# Altium PCB 多功能调试器0827.PcbDoc
Units mm, origin at the board's own origin, x right, y up, seen from the top; angles counter-clockwise.
Board outline 65 x 98 mm, 2 copper layers (Top Layer, Bottom Layer); 91 components, 53 nets, 312 pads, 72 vias.
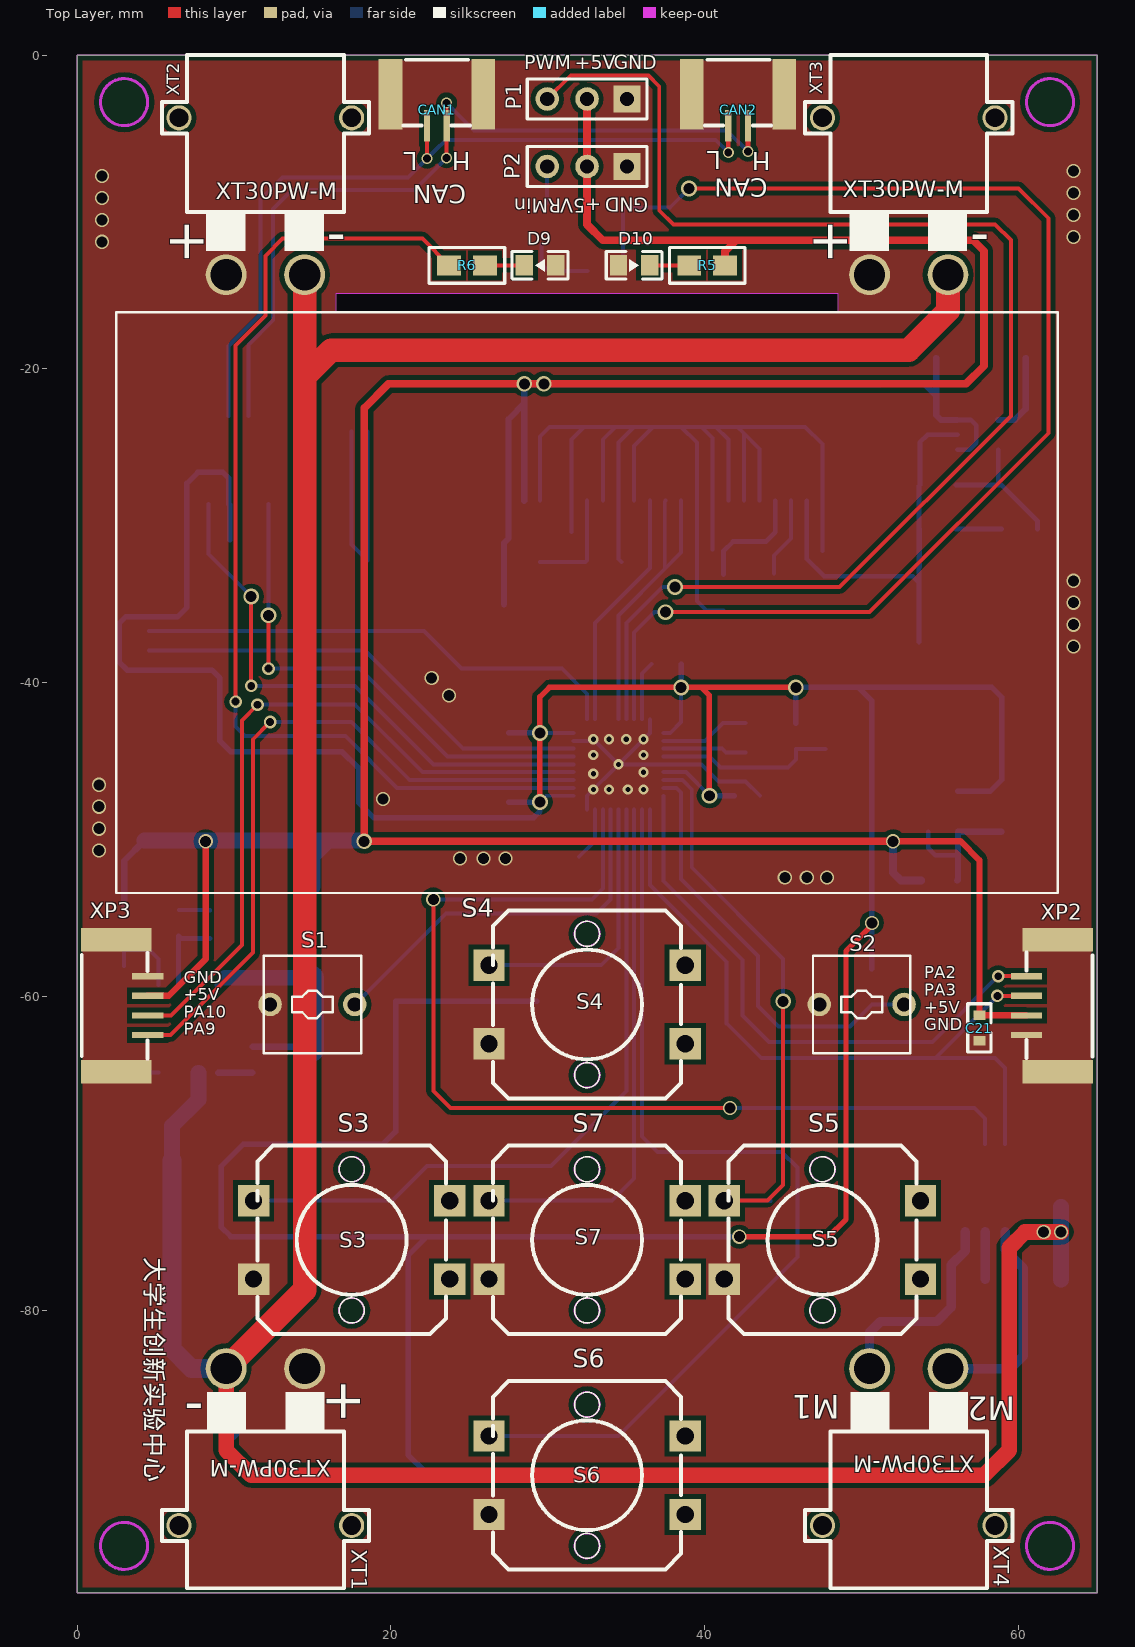
[diagram p0: Top Layer view]
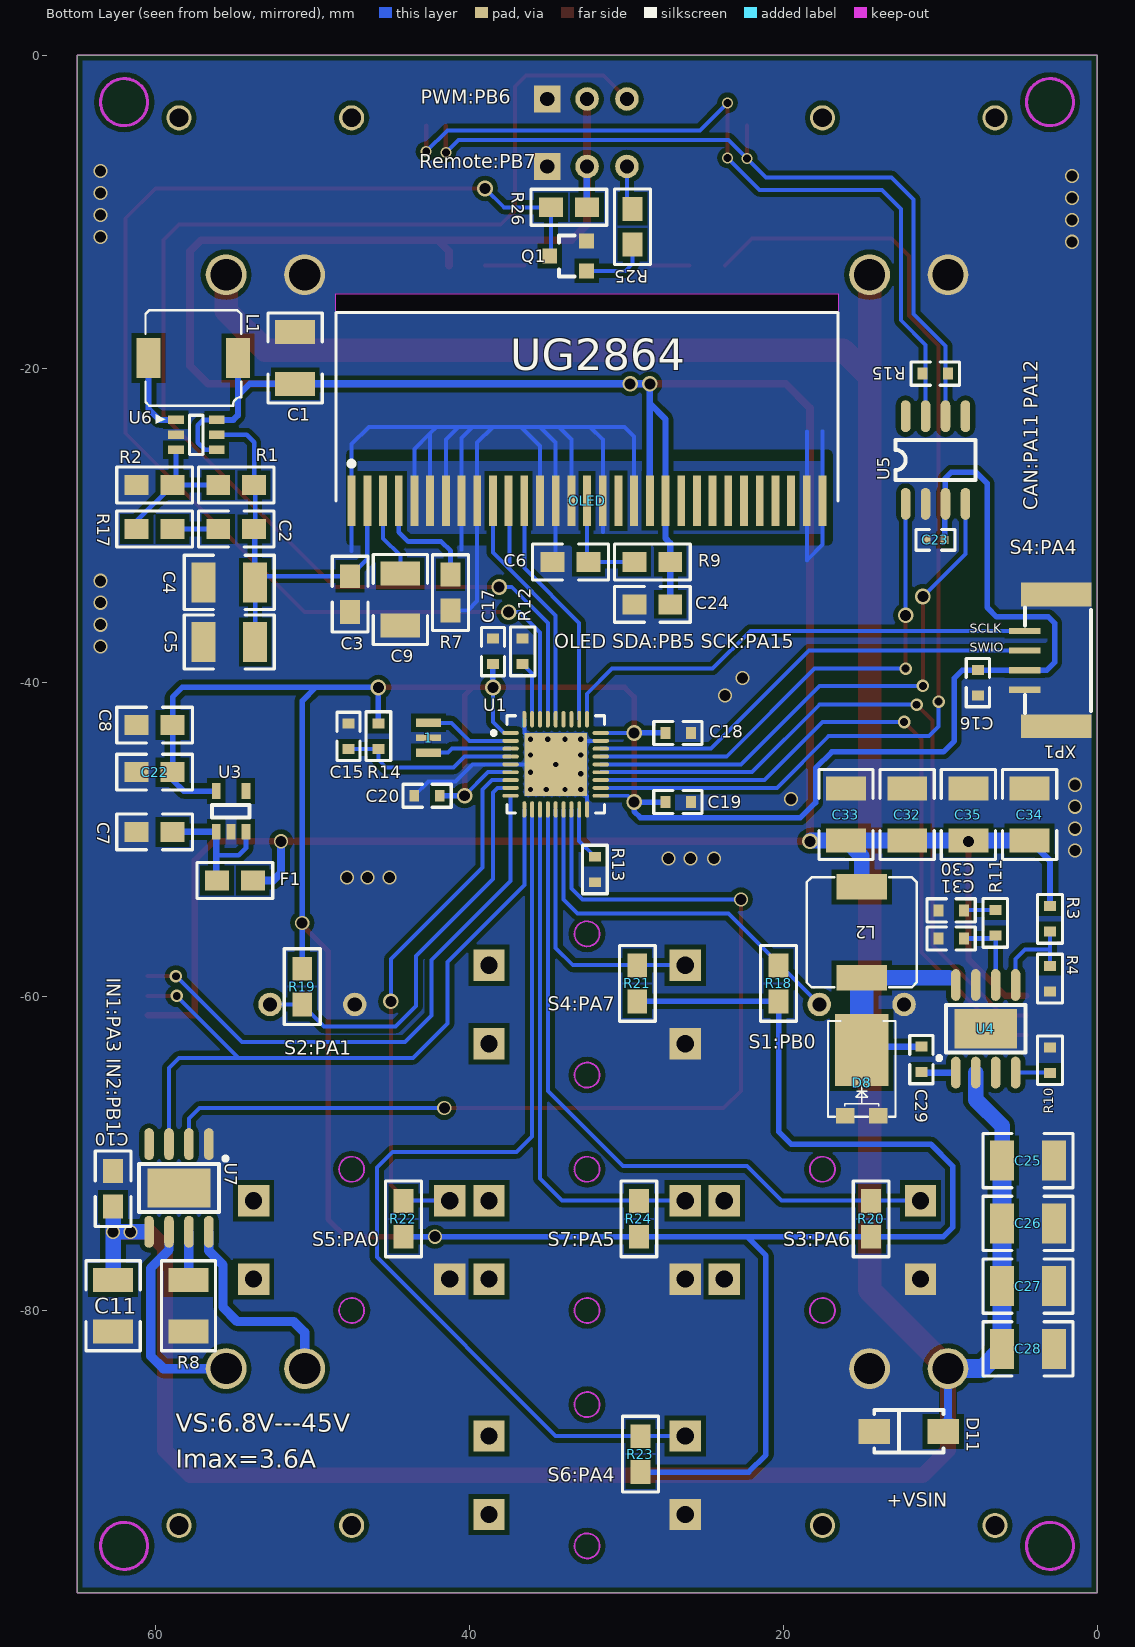
[diagram p1: Bottom Layer view, seen from below]

## Layer stack, top to bottom
Top Layer: signal copper 0.0356
Dielectric: dielectric 0.32, FR-4, Dk 4.8
Bottom Layer: signal copper 0.0356

## Board outline
0,-98 65,-98 65,0 0,0
cut-out: 16.5,-16.4 48.5,-16.368 48.5,-15.2 16.5,-15.2

## Design rules (kind name [scope] priority, off if disabled: settings)
Clearance [All] p1: gap=0.3
HoleToHoleClearance [All] p1: gap=0 allowstackedmicrovias=TRUE
MinimumSolderMaskSliver [All] p1: minsoldermaskwidth=0.1
PolygonConnect [All] p1: connectstyle=Direct reliefconductorwidth=0.254 reliefentries=4 polygonreliefangle="90 Angle"
RoutingVias [All] p1: holewidth=0.711 width=1.27 viastyle="Through Hole" minholewidth=0.711 minwidth=1.27 maxholewidth=0.711 maxwidth=1.27
SilkToSilkClearance [All] p1: silktosilkclearance=0
SilkscreenOverComponentPads [All] p1: minsilkscreentomaskgap=0
SolderMaskExpansion [All] p1: expansion=0.102
TestPointUsage [All] p1: valid=0 allowmultiple=FALSE
Testpoint [All] p1: side=15 testpointundercomponent=TRUE minsize=1.016 maxsize=2.54 preferedsize=1.524 minholesize=0 maxholesize=1.016 preferedholesize=0.813 testpointgrid=0.025 style=1023 order=0123456789
Width [All] p1: maxlimit=2 minlimit=0.2 preferedwidth=0.254
20 further rules are at their usual default settings.

## Components (designator, comment, footprint, x,y, rotation, side; value= is the part's Value field where it differs from the comment)
1 "" XTAL_SMD_3215_2 42.6,-43.5 r270 bottom
C1 "2.2uF" 1210C 51.1,-19.3 r270 bottom
C2 "22uF" 0805C 56,-30.2 r180 bottom
C3 "22uF" 0805C 47.6,-35.5 r90 bottom
C4 "22uF" 1210C 55.3,-33.6 r180 bottom
C5 "22uF" 1210C 55.3,-37.4 r180 bottom
C6 "1uF" 0805C 34.7,-32.3 r180 bottom
C7 "1uF" 0805C 61.2,-49.5 r180 bottom
C8 "1uF" 0805C 61.2,-42.7 r180 bottom
C9 "22uF" 1210C 44.4,-34.7 r90 bottom
C10 "1uF" 0805C 62.7,-71.1 r270 bottom
C11 "22uF" 1210C 62.7,-79.7 r270 bottom
C15 "CAP" 0603C 47.7,-43.4 r90 bottom
C16 "" 0603C 7.6,-40 r270 bottom
C17 "104" 0603C 38.5,-38 r90 bottom
C18 "104" 0603C 26.7,-43.2 r180 bottom
C19 "104" 0603C 26.7,-47.6 r180 bottom
C20 "104" 0603C 42.7,-47.2 r0 bottom
C21 "104" 0603C 57.5,-62 r270 top
C22 "1uF" 0805C 61.2,-45.7 r180 bottom
C23 "CAP" 0402C 10.3,-30.9 r0 bottom
C24 "104" 0805C 27.2,-35 r0 bottom
C25 "22uF" 1210C 4.4,-70.449 r180 bottom
C26 "22uF" 1210C 4.4,-74.449 r180 bottom
C27 "22uF" 1210C 4.4,-78.449 r180 bottom (schematic designator C12)
C28 "22uF" 1210C 4.4,-82.449 r180 bottom
C29 "104" 0603C 11.2,-64 r90 bottom
C30 "4700p" 0603C 9.287,-54.5 r180 bottom (schematic designator C25)
C31 "47p" 0603C 9.287,-56.3 r180 bottom (schematic designator C26)
C32 "22uF" 1210C 12.1,-48.4 r90 bottom (schematic designator C20)
C33 "22uF" 1210C 16,-48.4 r90 bottom (schematic designator C18)
C34 "22uF" 1210C 4.3,-48.4 r90 bottom (schematic designator C19)
C35 "22uF" 1210C 8.2,-48.4 r90 bottom
CAN1 "CAN" GH1.25-WS-2P 22.3,-4.5 r0 top locked
CAN2 "CAN" GH1.25-WS-2P 41.5,-4.5 r0 top locked
D8 "SS8P6C" TO-227 15,-64.6 r180 bottom (schematic designator D3)
D9 "LED0" LED_0805_B 29.5,-13.4 r0 top
D10 "LED0" LED_0805_B 35.5,-13.4 r180 top
D11 "" DO214_SMA 12,-87.7 r180 bottom
F1 "" 0805R 53.8,-52.6 r0 bottom
L1 "10uH" L6×6 57.6,-19.3 r270 bottom
L2 "" L7-7 15,-55.9 r0 bottom (schematic designator L3)
OLED "UG-2864" OLED 32.5,-28.4 r180 bottom locked
P1 "" HDR2.54-LI-3P 32.5,-2.8 r180 top
P2 "" HDR2.54-LI-3P 32.5,-7.1 r180 top
Q1 "" SOT23_3 33.7,-12.8 r180 bottom
R1 "100k" 0805R 56,-27.4 r180 bottom
R2 "10k" 0805R 61.2,-27.4 r180 bottom
R3 "Res1" 0603R 3,-55.049 r270 bottom
R4 "Res1" 0603R 3,-58.849 r270 bottom (schematic designator R10)
R5 "Res1" 0805R 41.3,-13.4 r180 top
R6 "Res1" 0805R 23.7,-13.4 r0 top
R7 "910k" 0805R 41.2,-35.4 r90 bottom
R8 "0.16" 1210R 57.9,-79.7 r90 bottom
R9 "10k" 0805R 27.2,-32.3 r0 bottom (schematic designator R8)
R10 "243k" 0603R 3,-64.049 r90 bottom (schematic designator R8)
R11 "16.9k" 0603R 6.487,-55.3 r90 bottom
R12 "Res1" 0603R 36.6,-38 r270 bottom (schematic designator R29)
R13 "Res1" 0603R 32,-51.9 r90 bottom (schematic designator R28)
R14 "Res1" 0603R 45.8,-43.4 r270 bottom (schematic designator R30)
R15 "Res1" 0603C 10.3,-20.3 r180 bottom
R17 "2k" 0805R 61.2,-30.2 r180 bottom
R18 "10k" 0805R 20.3,-60.3 r90 bottom
R19 "10k" 0805R 50.65,-58.225 r270 bottom
R20 "10k" 0805R 14.4,-75.3 r90 bottom
R21 "10k" 0805R 29.3,-60.3 r90 bottom
R22 "10k" 0805R 44.2,-75.3 r90 bottom
R23 "10k" 0805R 29.1,-90.3 r90 bottom
R24 "10k" 0805R 29.2,-75.3 r90 bottom
R25 "4.7k" 0805R 29.6,-9.8 r270 bottom
R26 "10k" 0805R 34.8,-9.7 r180 bottom
S1 "SW-PB" SW_PB_6*6 15,-60.5 r0 top locked
S2 "SW-PB" SW_PB_6*6 50,-60.5 r0 top locked (schematic designator S7)
S3 "SW-PB" BUT12/B3F 17.5,-75.5 r270 top locked (schematic designator S2)
S4 "SW-PB" BUT12/B3F 32.5,-60.5 r270 top locked (schematic designator S6)
S5 "SW-PB" BUT12/B3F 47.5,-75.5 r270 top locked
S6 "SW-PB" BUT12/B3F 32.5,-90.5 r270 top locked (schematic designator S3)
S7 "SW-PB" BUT12/B3F 32.5,-75.5 r270 top locked (schematic designator S4)
U1 "STM32F103T8U6" VFQN36_N 34.5,-45.2 r180 bottom
U3 "LP5907" SOT23_5 55.186,-48.2 r270 bottom
U4 "TPS54560" SOIC8E 9.005,-64.843 r90 bottom (schematic designator U3)
U5 "SN65HVD232" SOp8 12.2,-28.6 r90 bottom
U6 "SOT23-6" SOT23_6 57.4,-24.2 r180 bottom
U7 "DRV8872" SOIC8E 56.6,-69.4 r270 bottom
XP1 "CON4" GH1.25-WS-4P 4.6,-36.7 r270 bottom
XP2 "CON4" GH1.25-WS-4P 60.5,-58.7 r270 top locked
XP3 "CON4" GH1.25-WS-4P 4.5,-62.45 r90 top locked
XT1 "" XT30PW-M 12,-83.7 r90 top locked
XT2 "" XT30PW-M 12,-14 r270 top locked
XT3 "" XT30PW-M 53,-14 r270 top locked
XT4 "" XT30PW-M 53,-83.7 r90 top locked

## Footprints (in the part's own frame and the unit in brackets; to place one, negate y for a bottom-side part, rotate by r counter-clockwise, add the part's x,y. Pads: shape width x height; smd on the part's side, far side on the other; paste and mask are expansions set on the pad)
0402C [mil] "1mmx0.5mm （蒜米工坊）"
  rect 20x20 smd: 1(-23,0) 2(23,0)
  silkscreen extent -49,-26 49,26, body extent -20,-10 20,10, height 20
0603C [mil] "1.6mmx0.8mm（蒜米工坊）"
  rect 25x30 smd: 1(-32,0) 2(32,0)
  silkscreen extent -61,-29 60,29, body extent -32,-16 31,16, height 24
0603R [mil]
  rect 25x30 smd: 1(-32,0) 2(32,0)
  silkscreen extent -61,-31 61,31, body extent -32,-16 31,16, height 18
0805C [mil] "2.0mmx1.2mm（蒜米工坊）"
  rect 60x50 smd: 1(0,0) 2(90,0)
  silkscreen extent -50,-45 140,45, body extent 5,-24 83,24, height 37
0805R [mil]
  rect 60x50 smd: 1(0,0) 2(90,0)
  silkscreen extent -50,-45 140,45, body extent 5,-25 83,25, height 22
1210C [mil] "3.2mmx2.5mm（蒜米工坊）"
  rect 60x100 smd: 1(-65,0) 2(65,0)
  silkscreen extent -113,-68 113,68, body extent -63,-50 63,48, height 51
1210R [mil]
  rect 60x100 smd: 1(-65,0) 2(65,0)
  silkscreen extent -113,-68 113,68, body extent -63,-50 63,48, height 24
BUT12/B3F [mm]
  rect 2x2 hole 1.1: 1(-2.5,-6.25) 2(-2.5,6.25) 3(2.5,-6.25) 4(2.5,6.25)
  Keep-Out Layer circle w0.12: c-4.5,0 r0.8
  Keep-Out Layer circle w0.12: c4.5,0 r0.8
  silkscreen extent -6,-6 6,6
DO214_SMA [mm]
  rect 2x1.6 smd: 1(-2.2,0) 2(2.2,0)
  silkscreen extent -2.2,-1.35 2.2,1.35, body extent -2.69,-1.4 2.8,1.39, height 2.32
GH1.25-WS-2P [mm]
  rect 1.5x4.5 smd: 0(-2.325,2) 0(3.575,2)
  rect 0.4x2 smd: 1(0,0) 2(1.25,0)
  silkscreen extent -1.5,0 2.73,4.2, body extent -3.19,-0.87 4.46,4.33, height 3.5
GH1.25-WS-4P [mm]
  rect 1.5x4.5 smd: 0(-2.325,2) 0(6.075,2)
  rect 0.4x2 smd: 1(0,0) 2(1.25,0) 3(2.5,0) 4(3.75,0)
  silkscreen extent -1.5,0 5.23,4.2, body extent -3.17,-0.87 6.98,4.33, height 3.5
HDR2.54-LI-3P [mm] "排针，3脚"
  rect 1.7x1.7 hole 0.9: 1(-2.54,0)
  round 1.5 hole 0.9: 2(0,0) 3(2.54,0)
  silkscreen extent -3.81,-1.27 3.81,1.27, body extent -3.81,-1.27 3.81,1.27, height 8.5
L6×6 [mm]
  rect 2.54x1.524 smd: 1(0,2.85) 2(0,-2.85)
  silkscreen extent -3.05,-3.04 3.05,3.06, body extent -2.49,-2.44 2.41,2.46, height 2.91
L7-7 [mm]
  rect 3.2x1.6 smd: 1(0,2.9) 2(0,-2.9)
  silkscreen extent -3.5,-3.5 3.5,3.5
LED_0805_B [mm]
  rect 1.1x1.3 smd: 1(-1,0) 2(1,0)
  silkscreen extent -1.78,-0.87 1.78,0.87, body extent -1.01,-0.63 1.01,0.63, height 1.1
OLED [mm] "10.2*7.8*1.9mm"
  rect 0.5x3.2 smd: 1(-15,0) 2(-14,0) 3(-13,0) 4(-12,0) 5(-11,0) 6(-10,0) 7(-9,0) 8(-8,0) 9(-7,0) 10(-6,0) 11(-5,0) 12(-4,0) 13(-3,0) 14(-2,0) 15(-1,0) 16(0,0) 17(1,0) 18(2,0) 19(3,0) 20(4,0) 21(5,0) 22(6,0) 23(7,0) 24(8,0) 25(9,0) 26(10,0) 27(11,0) 28(12,0) 29(13,0) 30(14,0) 31(15,0)
  silkscreen extent -16,0 16,12
SOIC8E [mil]
  rect 98.43x157.48 smd: 0(110,-75)
  oval 80x24 smd: 1(0,0) 2(0,-50) 3(0,-100) 4(0,-150) 5(220,-150) 6(220,-100) 7(220,-50) 8(220,0)
  silkscreen extent 31,-175 170,46
SOp8 [mil] "（蒜米工坊）"
  oval 80x24 smd: 1(0,0) 2(0,-50) 3(0,-100) 4(0,-150) 5(220,-150) 6(220,-100) 7(220,-50) 8(220,0)
  silkscreen extent 60,-175 160,25, body extent -3,-173 235,25, height 63
SOT23_3 [mm]
  rect 0.95x0.95 smd: 1(1.175,-0.95) 2(1.175,0.95) 3(-1.175,0)
  silkscreen extent -0.6,-1.3 0.4,1.3, body extent -1.34,-1.5 1.3,1.5, height 1.08
SOT23_5 [mm]
  rect 1x0.55 smd: 1(1.3,-0.95) 2(1.3,0) 3(1.3,0.95) 4(-1.3,0.95) 5(-1.3,-0.95)
  silkscreen extent -0.4,-1.21 0.4,1.19, body extent -1.52,-1.51 1.48,1.49, height 1.3
SOT23_6 [mm]
  rect 1x0.55 smd: 1(-1.3,0.95) 2(-1.3,0) 3(-1.3,-0.95) 4(1.3,-0.95) 5(1.3,0) 6(1.3,0.95)
  silkscreen extent -2.6,-1.25 0.43,1.3, body extent -1.4,-1.45 1.4,1.45, height 1.45
SW_PB_6*6 [mm]
  round 1.5 hole 0.9: 1(2.7,0) 2(-2.7,0)
  silkscreen extent -3.1,-3.1 3.1,3.1
TO-227 [mm]
  rect 1.2x1 smd: 1(-1.05,-3) 2(1.05,-3)
  rect 3.4x4.6 smd: 3(0,1.2)
  silkscreen extent -2.15,-3.05 2.15,3.05
VFQN36_N [mm]
  oval 1.05x0.25 smd: 1(-2.875,2) 2(-2.875,1.5) 3(-2.875,1) 4(-2.875,0.5) 5(-2.875,0) 6(-2.875,-0.5) 7(-2.875,-1) 8(-2.875,-1.5) 9(-2.875,-2) 19(2.875,-2) 20(2.875,-1.5) 21(2.875,-1) 22(2.875,-0.5) 23(2.875,0) 24(2.875,0.5) 25(2.875,1) 26(2.875,1.5) 27(2.875,2)
  oval 0.25x1.05 smd: 10(-2,-2.875) 11(-1.5,-2.875) 12(-1,-2.875) 13(-0.5,-2.875) 14(0,-2.875) 15(0.5,-2.875) 16(1,-2.875) 17(1.5,-2.875) 18(2,-2.875) 28(2,2.875) 29(1.5,2.875) 30(1,2.875) 31(0.5,2.875) 32(0,2.875) 33(-0.5,2.875) 34(-1,2.875) 35(-1.5,2.875) 36(-2,2.875)
  rect 4x4 smd: 37(0,0)
  silkscreen extent -4.08,-3.1 3.1,3.1, body extent -3.1,-3.1 3.1,3.1, height 0.9
XT30PW-M [mm]
  round 2.6 hole 2 unplated: 1(0,-2.5) 2(0,2.5)
  round 1.6 hole 1.2 unplated: ""(-10,-5.5) ""(-10,5.5)
  silkscreen extent -14,-6.6 -1.5,6.6
XTAL_SMD_3215_2 [mm] "CSTCE16M0V53-R0"
  rect 0.55x1.6 smd: 1(-0.95,0) 3(0.95,0)
  rect 0.4x1.6 smd: 2(0,0)
  body extent -1.61,-0.76 1.61,0.76, height 0.91

## Part data
1: library part XTAL-3PIN, "贴片晶振"
C1 C2 C3 C4 C5 C6 C7 C8 C9 C10 C11 C25 C26 C27 C28 C30 C31 C32 C33 C34 C35: library part Cap, "Capacitor"
C16 C17 C18 C19 C20 C21 C22 C24: library part CAP
C29: library part CAP, "Capacitor"
CAN1 CAN2: library part SIP2, "jointbar"
D8: library part "Diode 1N4002", "1 Amp General Purpose Rectifier"
D9 D10: "Typical INFRARED GaAs LED"
D11: library part "Diode 1N4001", "1 Amp General Purpose Rectifier"
F1: library part "Fuse 1", "Fuse"
L1: library part Inductor, "Inductor"
L2: library part "Inductor Iron", "Magnetic-Core Inductor"
OLED: library part "Header 30", "Header, 30-Pin"
P1 P2: library part "Header 3", "Header, 3-Pin"
Q1: library part NPN, "NPN Bipolar Transistor"
R1 R2 R7 R8 R9 R11 R17 R18 R19 R20 R21 R22 R23 R24 R25 R26: library part Res2, "Resistor"
R3 R5 R6 R12 R13 R14 R15: "贴片电阻"
R4: "Resistor"
R10: library part Res1, "Resistor"
S1 S2 S3 S4 S5 S6 S7: "Switch"
U1: library part STM32F103TBU6, "ARM Cortex-M3 32-bit MCU, 128 KB Flash, 20 KB Internal RAM, 26 I/Os, 36-pin VFQFPN, -40 to 85 degC, Tray"
U6: library part 未知电源芯片SOT23-6
U7: library part SN65HVD232_1
XP1 XP2 XP3: "Connector"
XT1 XT2 XT3 XT4: library part "Header 2", "Header, 2-Pin"

## Via types
v1: diameter 0.9, hole 0.7, Top Layer to Bottom Layer, 33 vias
v2: diameter 1, hole 0.7, Top Layer to Bottom Layer, 14 vias
v3: diameter 0.66, hole 0.33, Top Layer to Bottom Layer, tented both sides, 13 vias
v4: diameter 0.8, hole 0.5, Top Layer to Bottom Layer, 7 vias
v5: diameter 0.7, hole 0.5, Top Layer to Bottom Layer, 5 vias

## Nets (pads, with @x,y where several pads share a name; then routed paths per layer and width w, separated by ;. In a path a pad name is that pad's centre, name@x,y a point inside that pad or via, vN(x,y) a via of type N, cw(c..) or ccw(c..) an arc to the next point about the centre after c; other vN are vias at no path point)
3.3V: C8.2 C16.1 C17.1 C18.1 C19.1 C20.1 C22.2 C23.1 R14.1 R18.1 R19.1 R20.1 R21.1 R22.1 R23.1 R24.1 U1.1 U1.6 U1.19 U1.27 U3.5 U5.3 XP1.3 | length 266.4
  Top Layer w0.35: v2@29.5,-47.2 v2(29.5,-43.2) 29.5,-40.9 30.1,-40.3 v2(38.5,-40.3) 39.8,-40.3 ; v2(40.3,-47.2) 40.3,-40.8 39.8,-40.3 ; v1(42.2,-75.3) 47.9,-75.3 49,-74.2 49,-57.1 v1@50.7,-55.4 ; v2(45.8,-40.3) 39.8,-40.3
  Bottom Layer w0.254: v2(29.5,-47.6) 29.9,-47.2 U1.19 ; v2(29.5,-43.2) U1.27 ; U1.6 38.8,-45.7 v2(40.3,-47.2) ; U1.1 37.8,-43.2 38.5,-42.5 v2(38.5,-40.3)
  Bottom Layer w0.35: C23.1 9.716,-28.656 U5.3 9.66,-26.96 9.3,-26.6 7.7,-26.6 7,-27.3 7,-35.2 6.4,-35.8 3.1,-35.8 2.7,-36.2 2.7,-38.7 3.2,-39.2 XP1.3 7.587,-39.2 C16.1 8.587,-39.187 9.1,-39.7 9.1,-43.7 9.8,-44.4 16.9,-44.4 17.938,-45.438 17.938,-47.638 18.9,-48.6 29.1,-48.6 29.5,-48.2 v2(29.5,-47.6) C19.1 ; C18.1 v2(29.5,-43.2) ; R23.1 22.2,-90.3 21.1,-89.2 21.1,-76.5 22.3,-75.3 ; R21.1 R18.1 20.3,-68.6 19.5,-69.4 10.6,-69.4 9.2,-70.8 9.2,-74.7 9.8,-75.3 R20.1 22.3,-75.3 ; v2(38.5,-40.3) C17.1 ; v2(40.3,-47.2) C20.1 ; R22.1 v1(42.2,-75.3) R24.1 22.3,-75.3 ; R14.1 v2(45.8,-40.3) 49.8,-40.3 ; R19.1 v1(50.65,-55.3) 50.65,-41.15 49.8,-40.3 ; U3.5 58.2,-46.9 58.914,-46.186 C22.2 C8.2 58.914,-40.914 58.3,-40.3 49.8,-40.3
+VS: C10.2 C11.1 C25.1 C26.1 C27.1 C28.1 D11.2 U4.2 U7.5 XT1.2 XT2.2 XT3.2 | length 222.9
  Top Layer w1: XT1.2 9.5,-88.9 11.1,-90.5 57.8,-90.5 59.4,-88.9 59.4,-76 60.4,-75 v1(62.7,-75)
  Top Layer w1.5: XT1.2 14.5,-78.7 14.5,-20.5 ; XT2.2 14.5,-20.5 ; XT3.2 55.5,-16.3 53,-18.8 16.2,-18.8 14.5,-20.5
  Bottom Layer w0.5: D11.2@9.5,-87.4 XT1.2
  Bottom Layer w1: C25.1 6.051,-68.249 7.735,-66.565 U4.2 ; U7.5@60.7,-74.988 62.688,-74.988 v1(62.7,-75) ; C11.1 v1(62.7,-75) ; C10.2 v1(62.7,-75)
  Bottom Layer w1.2: C25.1 C26.1 C27.1 C28.1 7.302,-83.7 XT1.2 ; D11.2@9.5,-87.4 D11.2
  other v1: 61.6,-75
BOOT0: R12.2 U1.35 | length 3.8
  Bottom Layer w0.254: U1.35 36,-39.413 R12.2
BOOT1: R13.2 U1.17 | length 3.4
  Bottom Layer w0.254: R13.2 33,-50.087 U1.17
CAN_H: CAN1.2 CAN2.2 R15.1 U5.7 | length 52.6
  Top Layer w0.254: v5(23.55,-6.55) CAN1.2 v5(23.55,-3.05)
  Top Layer w0.3: v5(42.75,-6.15) CAN2.2
  Bottom Layer w0.254: U5.7 10.93,-18.47 12.5,-16.9 12.5,-9.8 13.7,-8.6 20.4,-8.6 ; 21.1,-8.6 20.4,-8.6 ; v5(23.55,-6.55) 21.5,-8.6 20.4,-8.6 ; v5(23.55,-3.05) 25.3,-4.8 41.4,-4.8 v5(42.75,-6.15)
CAN_L: CAN1.1 CAN2.1 R15.2 U5.6 | length 50.2
  Top Layer w0.254: CAN1.1 22.3,-6.592 v5(22.304,-6.596)
  Top Layer w0.3: v5(41.5,-6.2) CAN2.1
  Bottom Layer w0.254: U5.6 9.66,-18.54 11.7,-16.5 11.7,-9.2 13.1,-7.8 21.1,-7.8 v5(22.304,-6.596) ; v5@22.3,-6.6 v5(22.304,-6.596) ; v5(41.5,-6.2) 40.7,-5.4 23.5,-5.4 22.811,-6.089 v5(22.304,-6.596)
CANRX: U1.23 U5.4 | length 35.3
  Top Layer w0.254: v4(11.1,-40.2) v2(11.1,-34.5)
  Bottom Layer w0.254: U5.4 8.39,-31.79 v2(11.1,-34.5) ; v4(11.1,-40.2) 17.7,-40.2 22.7,-45.2 U1.23
CANTX: U1.24 U5.1 | length 32.2
  Top Layer w0.254: v4(12.2,-39.1) v2(12.2,-35.7)
  Bottom Layer w0.254: v4(12.2,-39.1) 18,-39.1 23.6,-44.7 U1.24 ; v2(12.2,-35.7) U5.1
D_SCK: OLED.12 U1.29 | length 15.4
  Bottom Layer w0.254: U1.29 33,-36.2 36.5,-32.7 OLED.12
D_SDA: OLED.10 OLED.11 U1.32 | length 21.5
  Bottom Layer w0.254: U1.32 34.5,-40.4 ; 34.5,-38.9 34.5,-40.4 ; OLED.11 37.45,-28.45 37.45,-32.75 ; OLED.10 38.5,-31.7 37.45,-32.75 ; 34.5,-40.4 34.5,-35.7 37.45,-32.75
FB: R3.2 R4.1 U4.5 | length 6.3
  Bottom Layer w0.254: R4.1 3,-57 ; R3.2 3,-57 ; U4.5 5.195,-57.595 4.6,-57 3,-57
GND: 1.2 C1.1 C3.1 C4.1 C5.1 C6.1 C7.1 C8.1 C9.1 C10.1 C11.2 C15.2 C16.2 C17.2 C18.2 C19.2 C20.2 C21.2 C22.1 C23.2 C24.2 C25.2 C26.2 C27.2 C28.2 C30.1 C31.1 C32.2 C33.2 C34.2 C35.2 CAN1.0 CAN2.0 D8.1 D8.2 D9.2 D10.2 D11.1 OLED.1 OLED.5 OLED.6 OLED.7 OLED.8 OLED.9 OLED.13 OLED.14 OLED.15 OLED.17 OLED.19 OLED.30 OLED.31 P1.1 P2.1 Q1.2 R2.1 R4.2 R7.1 R8.1 R10.2 R12.1 R13.1 S1.2 S2.2 S3.3 S4.3 S5.3 S6.3 S7.3 U1.5 U1.18 U1.26 U1.36 U1.37 U3.2 U4.0 U4.7 U5.2 U6.2 U7.0 U7.1 XP1.0 XP1.4 XP2.0 XP2.4 XP3.0 XP3.4 XT1.1 XT2.1 XT3.1 | length 129.7
  Bottom Layer w0.254: 17.5,-24 OLED.31 17.5,-31.2 18.5,-32.2 OLED.30 18.5,-24 ; OLED.19 29.5,-24.3 30.1,-23.7 32.3,-23.7 ; 31.5,-30.4 OLED.17 31.5,-24.5 32.3,-23.7 ; U1.26 33,-43.7 v3(34.5,-45.2) ; U1.18 32.5,-47.2 v3(34.5,-45.2) ; OLED.15 33.5,-24.5 34.3,-23.7 ; C6.1 34.5,-32.1 OLED.14 34.5,-24.7 35.5,-23.7 ; OLED.13 35.5,-24.9 36.7,-23.7 ; U1.36 36.5,-43.2 v3(34.5,-45.2) ; 40.5,-31.5 OLED.8 40.5,-24.4 39.8,-23.7 ; R7.1 40.1,-35.4 39.5,-34.8 OLED.9 39.5,-24.7 38.5,-23.7 ; OLED.7 41.5,-24.5 40.7,-23.7 ; OLED.6 42.5,-24.1 ; OLED.5 43.5,-25.1 42.5,-24.1 ; C20.2 42.6,-46.287 40.887,-46.287 39.8,-45.2 38.8,-45.2 U1.5 v3(34.5,-45.2) ; 47.5,-31.6 OLED.1 47.5,-24.8 46.4,-23.7 42.1,-23.7 ; 32.3,-23.7 34.3,-23.7 ; 34.3,-23.7 35.5,-23.7 ; 35.5,-23.7 36.7,-23.7 ; 36.7,-23.7 38.5,-23.7 ; 38.5,-23.7 39.8,-23.7 ; 39.8,-23.7 40.7,-23.7 ; 40.7,-23.7 42.1,-23.7 ; 42.1,-23.7 42.5,-24.1
  other v1: 45.1,-52.4 46.5,-52.4 47.8,-52.4 24.4,-51.2 25.9,-51.2 27.3,-51.2 1.4,-50.7 1.4,-49.3 1.4,-47.9 19.5,-47.4 1.4,-46.5 23.7,-40.8 22.6,-39.7 63.5,-37.7 63.5,-36.3 63.5,-34.9 63.5,-33.5 1.6,-11.9 63.5,-11.6 1.6,-10.5 63.5,-10.2 1.6,-9.1 63.5,-8.8 1.6,-7.7 63.5,-7.4
  other v3: 32.9,-46.8 33.9,-46.8 35.1,-46.8 36.1,-46.8 32.9,-45.8 36.1,-45.7 32.9,-44.6 36.1,-44.6 32.9,-43.6 33.9,-43.6 35,-43.6 36.1,-43.6
KEY1: R18.2 S1.1 U1.15 | length 24.8
  Bottom Layer w0.254: S1.1 23.5,-54.7 33.1,-54.7 34,-53.8 U1.15
KEY2: R19.2 S2.1 U1.8 | length 27.3
  Bottom Layer w0.254: U1.8 38.2,-46.7 38.5,-47 38.5,-52.5 43.4,-57.4 43.4,-60.6 44.7,-61.9 49.261,-61.9 R19.2 52.689,-60.511 S2.1
KEY3: R20.2 S3.1 U1.13 | length 44.6
  Bottom Layer w0.254: S3.1 20.1,-73 22.3,-70.8 30.2,-70.8 35,-66 U1.13
KEY4: R21.2 S4.1 U1.14 | length 17.5
  Bottom Layer w0.254: S4.1 33.4,-58 34.5,-56.9 U1.14
KEY5: R22.2 S5.1 U1.7 | length 39.6
  Top Layer w0.254: S5.1 44,-73 45,-72 v2(45,-60.3)
  Bottom Layer w0.254: U1.7 38.571,-46.2 39.171,-46.8 39.171,-48.5 ; 39.171,-51.371 39.171,-48.5 ; S5.1 44.186,-73 R22.2 ; v2(45,-60.3) 45,-57.6 39.171,-51.771 39.171,-48.5
KEY6: R23.2 S6.1 U1.11 | length 61.6
  Bottom Layer w0.254: S6.1 34.5,-88 45.9,-76.6 45.9,-70.9 44.9,-69.9 37,-69.9 36,-68.9 U1.11
KEY7: R24.2 S7.1 U1.12 | length 34.4
  Bottom Layer w0.254: 27.327,-73 S7.1 34.1,-73 35.5,-71.6 U1.12
LED1: R6.1 U1.20 | length 69.4
  Top Layer w0.254: v4(10.1,-41.2) 10.1,-18.5 12,-16.6 12,-12.8 13.1,-11.7 22,-11.7 R6.1
  Bottom Layer w0.254: v4(10.1,-41.2) 10.1,-42.8 10.7,-43.4 15.7,-43.4 ; 13.1,-43.4 15.7,-43.4 ; U1.20 20.4,-46.7 17.1,-43.4 15.7,-43.4
M1: U7.6 XT4.1 | length 13.5
  Bottom Layer w0.6: XT4.1 59.5,-83.7 60.3,-82.9 60.3,-77.3 59.14,-76.14 U7.6
M2: U7.8 XT4.2 | length 13.3
  Bottom Layer w0.6: XT4.2 50.5,-81.4 51.2,-80.7 54.8,-80.7 55.7,-79.8 55.7,-77.1 56.6,-76.2 U7.8
NetC2_1: C2.1 R17.2 | length 2.9
  Bottom Layer w0.3: C2.1 R17.2
NetC6_2: C6.2 OLED.16 R9.2 | length 6.9
  Bottom Layer w0.254: R9.2 C6.2 32.5,-32.214 OLED.16
NetC7_2: C7.2 F1.2 U3.1 U3.3 | length 9
  Bottom Layer w0.3: U3.3 54.236,-50.536 54.7,-51 56.136,-51
  Bottom Layer w0.4: F1.2 56.136,-52.55 56.136,-51 U3.1 C7.2
NetC9_2: C9.2 OLED.3 | length 5.1
  Bottom Layer w0.254: C9.2 44.4,-31.9 45.5,-30.8 OLED.3
NetC29_1: C29.1 U4.1 | length 2.2
  Bottom Layer w0.254: C29.1@11.17,-64.843 C29.1
  Bottom Layer w0.4: U4.1 C29.1@11.17,-64.843
NetC29_2: C29.2 D8.3 L2.1 U4.8 | length 14.7
  Bottom Layer w0.254: D8.3@14.787,-63.187 D8.3
  Bottom Layer w0.4: C29.2 D8.3@14.787,-63.187
  Bottom Layer w0.5: U4.8 9.46,-58.8
  Bottom Layer w1: 9.46,-58.8 L2.1
  Bottom Layer w1.5: D8.3 L2.1
NetC30_2: C30.2 R11.2 | length 2
  Bottom Layer w0.254: R11.2 8.462,-54.487 C30.2
NetC31_2: C31.2 R11.1 U4.6 | length 5.2
  Bottom Layer w0.3: U4.6 6.465,-56.135 R11.1 6.674,-56.3 C31.2
NetD9_1: D9.1 R6.2 | length 2.5
  Top Layer w0.254: R6.2 D9.1
NetD10_1: D10.1 R5.2 | length 2.5
  Top Layer w0.254: D10.1 R5.2
NetL1_2: L1.2 U6.1 | length 5.3
  Bottom Layer w0.4: U6.1 59.75,-23.25 60.45,-22.55 L1.2
NetOLED_4: OLED.4 R7.2 | length 7.3
  Bottom Layer w0.3: R7.2 41.2,-31.6 41.8,-31 43.9,-31 44.5,-30.4 OLED.4
NetP2_3: P2.3 R25.1 | length 2.8
  Bottom Layer w0.254: R25.1 29.96,-9.44 P2.3
NetQ1_1: Q1.1 R25.2 | length 4.3
  Bottom Layer w0.254: R25.2 29.6,-13.3 30.05,-13.75 Q1.1
NetR1_1: R1.1 R2.2 R17.1 U6.3 | length 9
  Bottom Layer w0.3: R1.1 R2.2 ; U6.3 58.7,-27.186 R2.2 ; R17.1 61.2,-29.686 R2.2
NetR8_2: R8.2 U7.7 | length 3
  Bottom Layer w0.6: R8.2@57.87,-78.019 U7.7
NetR10_1: R10.1 U4.4 | length 2.2
  Bottom Layer w0.254: R10.1 3.019,-64.843 U4.4
OSCIN: 1.1 U1.2 | length 5.7
  Bottom Layer w0.254: U1.2 40,-43.7 41.15,-42.55 1.1
OSCOUT: 1.3 U1.3 | length 5.3
  Bottom Layer w0.254: U1.3 41.1,-44.2 41.35,-44.45 1.3
PA9: U1.21 XP3.1 | length 44.9
  Top Layer w0.254: XP3.1 5.95,-62.45 11.2,-57.2 11.2,-43.6 v4(12.3,-42.5)
  Bottom Layer w0.254: v4(12.3,-42.5) 17.5,-42.5 21.2,-46.2 U1.21
PA10: U1.22 XP3.2 | length 46.8
  Top Layer w0.254: XP3.2 6,-61.2 10.5,-56.7 10.5,-43.9 ; 10.5,-43.3 10.5,-43.9 ; v4(11.5,-41.4) 10.5,-42.4 10.5,-43.9
  Bottom Layer w0.254: v4(11.5,-41.4) 16.6,-41.4 ; 15.9,-41.4 16.6,-41.4 ; U1.22 22,-45.7 17.7,-41.4 16.6,-41.4
PWM: U1.16 U7.2 | length 67.7
  Top Layer w0.254: v1(22.7,-53.8) 22.7,-66 23.8,-67.1 26.4,-67.1 ; 24.5,-67.1 26.4,-67.1 ; v1(41.6,-67.1) 26.4,-67.1
  Bottom Layer w0.254: v1(22.7,-53.8) 32.8,-53.8 33.5,-53.1 U1.16 ; v1(41.6,-67.1) 57.2,-67.1 57.87,-67.77 U7.2
RST: C15.1 R14.2 U1.4 | length 11.5
  Bottom Layer w0.254: U1.4 40.3,-44.7 41,-45.4 45.3,-45.4 45.8,-44.9 R14.2 C15.1
SWCLK: U1.28 XP1.1 | length 31.2
  Bottom Layer w0.254: XP1.1 22.1,-36.7 24.5,-39.1 30.9,-39.1 32.5,-40.7 U1.28
SWDIO: U1.25 XP1.2 | length 29.6
  Bottom Layer w0.254: XP1.2 18.35,-37.95 24.6,-44.2 U1.25
TIM4_CH1: P1.3 U1.33 | length 86.4
  Top Layer w0.254: P1.3 31.46,-1.3 36.4,-1.3 37.1,-2 37.1,-5.7 37.1,-9.9 38,-10.8 58.5,-10.8 59.5,-11.8 59.5,-23 48.6,-33.9 v2(38.1,-33.9)
  Bottom Layer w0.254: U1.33 35,-36.2 37.3,-33.9 v2(38.1,-33.9)
USART1_RX: Q1.3 R26.1 U1.34 | length 82.6
  Top Layer w0.254: v2(37.5,-35.5) 50.5,-35.5 61.9,-24.1 61.9,-10.4 60,-8.5 v2(39,-8.5)
  Bottom Layer w0.254: Q1.3 34.8,-12.725 R26.1 36.2,-9.7 ; U1.34 35.5,-36.8 36.8,-35.5 v2(37.5,-35.5) ; 36.4,-9.7 36.2,-9.7 ; v2(39,-8.5) 37.8,-9.7 36.2,-9.7
USART2_RX: U1.10 U7.3 XP2.2 | length 46.9
  Top Layer w0.254: v4(58.65,-59.95) XP2.2
  Bottom Layer w0.254: U1.10 36.5,-52.9 41.4,-57.8 41.4,-61.7 43.6,-63.9 54.7,-63.9 ; v4(58.65,-59.95) 54.7,-63.9 ; U7.3 59.14,-64.54 58.5,-63.9 54.7,-63.9
USART2_TX: U1.9 XP2.1 | length 36.6
  Top Layer w0.254: v4(58.7,-58.7) XP2.1
  Bottom Layer w0.254: U1.9 37.375,-52.646 42.4,-57.671 42.4,-61.2 44.1,-62.9 54.5,-62.9 v4(58.7,-58.7)
VCC: C2.2 C3.2 C4.2 C5.2 OLED.2 R1.2 U6.5 | length 29.2
  Bottom Layer w0.254: C4.2@53.714,-32.586 C2.2
  Bottom Layer w0.3: OLED.2 46.5,-32.114 C3.2 53.086,-33.214 53.263,-33.214 C4.2 ; C5.2 C4.2 ; U6.5 54.2,-24.2 53.714,-24.686 R1.2 53.649,-27.465 53.649,-28.8 C4.2
VO5: C1.2 C21.1 C24.1 C32.1 C33.1 C34.1 C35.1 F1.1 L1.1 L2.2 OLED.20 OLED.21 P1.2 P2.2 R3.1 R5.1 R9.1 R26.2 U6.4 U6.6 XP2.3 XP3.3 | length 261.1
  Top Layer w0.4: XP3.3 5.85,-59.95 8.2,-57.6 v1(8.2,-50.1) ; v1(52,-50.1) 56.3,-50.1 57.5,-51.3 C21.1 XP2.3@60.487,-61.187
  Top Layer w0.5: P1.2 P2.2 32.5,-10.8 33.5,-11.8 42,-11.8 ; R5.1 41.3,-12.5 42,-11.8 ; v1(52,-50.1) v2(18.3,-50.1) 18.3,-22.5 19.849,-20.951 v2(28.5,-20.951) v2(29.749,-20.951) 56.649,-20.951 57.8,-19.8 57.8,-12.5 57.1,-11.8 42,-11.8
  Bottom Layer w0.3: U6.4 56.846,-25.15 57.3,-24.696 57.3,-23.6 56.95,-23.25 U6.6
  Bottom Layer w0.4: R3.1 3,-51.351 C34.1 ; C24.1 R9.1 27.2,-31.1 27.5,-30.8 OLED.21 27.5,-23.2 28.5,-22.2 ; OLED.20 28.5,-22.2 ; v2(28.5,-20.951) 28.5,-22.2 ; P1.2 P1.2@32.514,-2.814 ; R26.2 P2.2@32.514,-7.1 ; C1.2 54.001,-20.951 54.75,-21.7 ; L1.1 54.75,-21.7 ; U6.6 55.05,-23.25 54.75,-22.95 54.75,-21.7
  Bottom Layer w0.5: v2(28.5,-20.951) v2(29.749,-20.951) C1.2 ; v1(52,-50.1) 52,-52.1 52.5,-52.6 F1.1
  Bottom Layer w1: C34.1 C35.1 C32.1 C33.1 ; L2.2 15,-51.051 C33.1 ; v2@18.251,-50.051 C33.1
pads on no net: OLED.18 OLED.22 OLED.23 OLED.24 OLED.25 OLED.26 OLED.27 OLED.28 OLED.29 S3.2 S3.4 S4.2 S4.4 S5.2 S5.4 S6.2 S6.4 S7.2 S7.4 U1.30 U1.31 U3.4 U4.3 U5.5 U5.8 U7.4 XT1. XT2. XT3. XT4.

## Polygon pours and split planes (outlines as drawn)
GND on Top Layer "TopLayer-No Net" (solid, remove dead copper): 0,-98 65,-98 65,0 0,0
GND on Bottom Layer "TopLayer-No Net" (solid, remove dead copper): 65,-98 65,-37.7 65,-33 0,-33 0,-98
GND on Bottom Layer "TopLayer-No Net" (solid, remove dead copper, pour order 1000): 0,0 65,0 65,-39.2 0,-39.2

## Keep-outs
Keep-Out Layer:
  circle w0.2: c3,-95 r1.5
  circle w0.2: c62,-95 r1.5
  circle w0.2: c3,-3 r1.5
  circle w0.2: c62,-3 r1.5
  lines w0.1: 0,-98 0,0 65,0 65,-98 0,-98

## Silkscreen, mask and mechanical layers (free items; w line width, h text height)
Top Overlay:
  lines w0.15: 2.5,-53.4 2.5,-16.4 62.5,-16.4 62.5,-53.4 2.5,-53.4
  text "PWM" at 28.5,-1.2 h1.5
  text "+5V" at 31.7,-1.2 h1.5
  text "GND" at 34.2,-1.2 h1.5
  text "L" at 41.05,-5.75 h2 r180
  text "L" at 21.7,-5.8 h2 r180
  text "H" at 25.1,-5.8 h2 r180
  text "H" at 44.2,-5.8 h2 r180
  text "CAN" at 44,-7.5 h2 r180
  text "CAN" at 24.8,-7.9 h2 r180
  text "GND" at 36.4,-8.8 h1.5 r180
  text "RMin" at 30.87,-8.855 h1.5 r180
  text "+5V" at 33.41,-8.855 h1.5 r180
  text "S4" at 24.5,-55.3 h2
  text "PA2" at 54,-59.1 h1.3
  text "GND" at 6.8,-59.4 h1.3
  text "PA3" at 54,-60.2 h1.3
  text "+5V" at 6.8,-60.5 h1.3
  text "+5V" at 54,-61.3 h1.3
  text "PA10" at 6.8,-61.6 h1.3
  text "GND" at 54,-62.4 h1.3
  text "PA9" at 6.8,-62.7 h1.3
  text "S3" at 16.6,-69 h2
  text "S7" at 31.6,-69 h2
  text "S5" at 46.6,-69 h2
  text "大学生创新实验中心" at 4,-76.6 h2 r270
  text "S6" at 31.6,-84 h2
Bottom Overlay:
  text "PWM:PB6" at 43.1,-3.4 h1.5
  text "Remote:PB7" at 43.2,-7.5 h1.5
  text "CAN:PA11 PA12" at 3.5,-29 h1.5 r270
  text "S4:PA4" at 5.55,-32.1 h1.5
  text "SCLK" at 8.1,-37 h1
  text "OLED SDA:PB5 SCK:PA15" at 34.6,-38.1 h1.5
  text "SWIO" at 8.1,-38.2 h1
  text "IN1:PA3 IN2:PB1" at 63.4,-58.8 h1.5 r90
  text "S4:PA7" at 35,-61.2 h1.5
  text "S1:PB0" at 22.2,-63.6 h1.5
  text "S2:PA1" at 51.8,-64 h1.5
  text "S3:PA6" at 20,-76.2 h1.5
  text "S7:PA5" at 35,-76.2 h1.5
  text "S5:PA0" at 50,-76.2 h1.5
  text "VS:6.8V---45V" at 58.7,-88.1 h2
  text "Imax=3.6A" at 58.7,-90.4 h2
  text "S6:PA4" at 35,-91.2 h1.5
  text "+VSIN" at 13.4,-92.8 h1.5
Top Paste:
  text "2021.08.27" at 1.4,-84 h2.5 r270
Top Solder:
  text "2021.08.27" at 1.4,-84 h2.5 r270
Mechanical 1:
  lines w0.15: 16.5,-16.368 48.5,-16.368 48.5,-15.2 16.5,-15.2 16.5,-16.368

## Text inside footprints (layer, text, board x,y; h text height)
OLED: Bottom Overlay "UG2864" at 37.4,-20.1 h2
XT1: Top Overlay "XT30PW-M" at 16.2,-89.2 h1.8 r180; Top Overlay "+" at 18.05,-87.225 h2.5 r90; Top Overlay "-" at 8.075,-85.15 h2.5 r180
XT2: Top Overlay "-" at 15.925,-12.55 h2.5; Top Overlay "+" at 5.95,-10.475 h2.5 r270; Top Overlay "XT30PW-M" at 8.85,-9.55 h1.8
XT3: Top Overlay "-" at 56.925,-12.55 h2.5; Top Overlay "+" at 46.95,-10.475 h2.5 r270; Top Overlay "XT30PW-M" at 48.8,-9.4 h1.8
XT4: Top Overlay "XT30PW-M" at 57.2,-88.9 h1.8 r180; Top Overlay "M2" at 59.8,-85.5 h1.5 r180; Top Overlay "M1" at 48.6,-85.4 h1.5 r180